# Altium PCB DDR3_Example.PcbDoc (part 2 of 6)
Units mm, origin at the board's own origin, x right, y up, seen from the top; angles counter-clockwise.
Board outline 133.38 x 30.03 mm, 6 copper layers (TOP, SPLIT1_L2, IN1_L3, IN2_L4, SPLIT2_L5, BOTTOM), stack 1.246 mm thick; 131 components, 227 nets, 1523 pads, 910 vias.
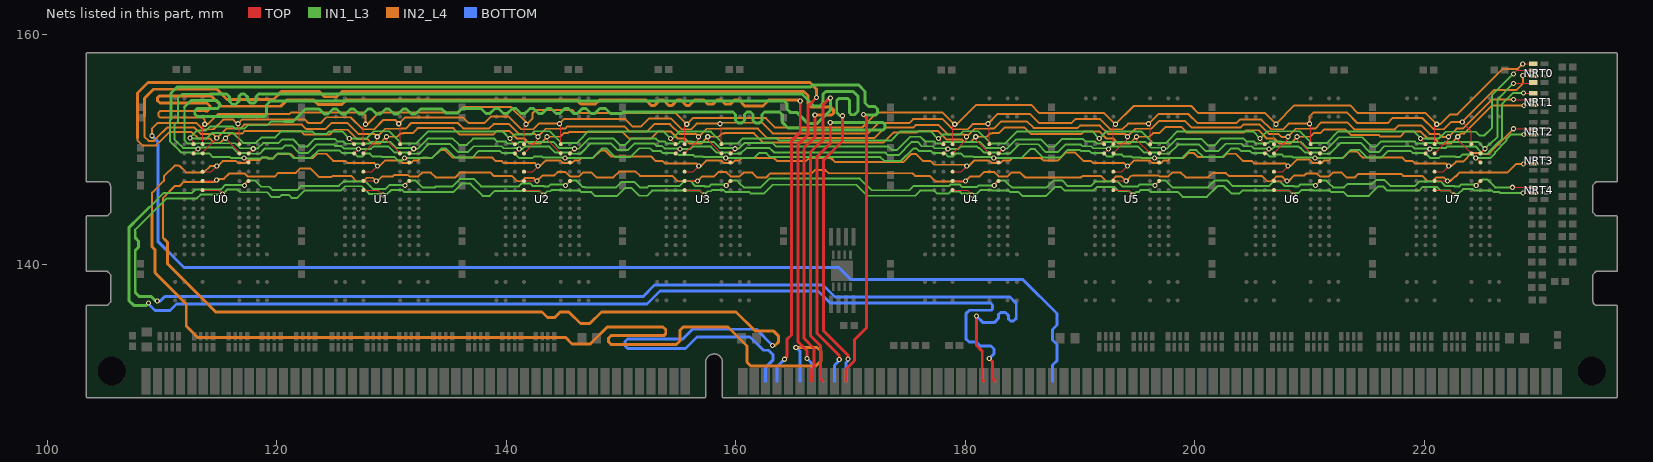
[diagram p6: the nets of this part, all layers, seen from the top]

## Via types
v1: diameter 0.45, hole 0.25, TOP to BOTTOM, 910 vias

## Nets (pads, with @x,y where several pads share a name; then routed paths per layer and width w, separated by ;. In a path a pad name is that pad's centre, name@x,y a point inside that pad or via, vN(x,y) a via of type N, cw(c..) or ccw(c..) an arc to the next point about the centre after c; other vN are vias at no path point) (continued)
A<5>: NRT2.3 U0.L2 U1.L2 U2.L2 U3.L2 U4.L2 U5.L2 U6.L2 U7.L2 | length 227.9
  TOP w0.1: v1(117.137,149.253) 117.546,148.844 U0.L2@117.546,148.84 ; v1(131.124,149.241) 131.145,149.241 U1.L2@131.546,148.84 ; v1(145.124,149.241) 145.145,149.241 U2.L2@145.546,148.84 ; v1(159.124,149.241) 159.145,149.241 U3.L2@159.546,148.84 ; v1(182.474,149.241) 182.875,148.84 U4.L2@182.896,148.84 ; v1(196.474,149.241) 196.495,149.241 U5.L2@196.896,148.84 ; v1(210.474,149.241) 210.495,149.241 U6.L2@210.896,148.84 ; v1(224.474,149.241) 224.495,149.241 U7.L2@224.896,148.84 ; v1(228.672,151.276) NRT2.3@229.493,151.276
  TOP w0.254: 169.601,129.784 169.601,130.832 170.28,131.511 170.33,131.618 170.33,133.391 171.406,134.467 171.406,152.75 v1(171.136,153.02)
  IN1_L3 w0.1: v1@117.118,149.249 117.122,149.253 v1(117.137,149.253)
  IN1_L3 w0.17: 110.793,152.65 110.679,152.536 110.679,150.712 111.168,150.223 111.18,150.223 111.683,149.72 112.856,149.72 112.956,149.62 114.146,149.62 114.442,149.324 114.946,149.324 114.948,149.326 115.917,149.326 115.994,149.249 v1@117.118,149.249 ; v1(117.137,149.253) 117.178,149.212 118.674,149.212 118.746,149.284 119.216,149.284 119.31,149.19 119.642,149.19 119.913,149.461 119.913,149.467 120.076,149.63 121.086,149.63 121.475,149.241 122.977,149.241 123.616,149.88 125.476,149.88 125.676,149.68 126.736,149.68 127.049,149.367 127.453,149.367 127.706,149.62 128.123,149.62 128.376,149.367 129.124,149.367 129.181,149.31 130.262,149.31 130.542,149.03 130.913,149.03 v1(131.124,149.241) 131.141,149.258 132.708,149.258 132.734,149.284 133.098,149.284 133.155,149.227 133.523,149.227 134.356,150.06 134.756,150.06 135.536,149.28 137.036,149.28 137.62,149.864 139.438,149.864 139.624,149.678 140.658,149.678 141.089,149.247 142.308,149.247 142.428,149.367 143.124,149.367 143.194,149.297 145.068,149.297 v1(145.124,149.241) 145.138,149.227 146.744,149.227 146.76,149.243 147.528,149.243 148.365,150.08 148.716,150.08 149.456,149.34 150.846,149.34 151.596,150.09 152.52,150.09 152.746,149.864 153.438,149.864 153.628,149.674 154.14,149.674 154.144,149.678 154.508,149.678 154.514,149.672 154.868,149.672 155.04,149.5 156.306,149.5 156.439,149.367 157.124,149.367 157.181,149.31 159.055,149.31 v1(159.124,149.241) 161.122,149.241 161.126,149.237 161.583,149.237 162.016,149.67 162.666,149.67 163.016,149.32 172.596,149.32 172.936,148.98 174.396,148.98 175.466,150.05 175.756,150.05 175.942,149.864 176.982,149.864 177.155,149.691 178.2,149.691 178.523,149.367 178.893,149.367 179.146,149.62 179.633,149.62 179.886,149.367 180.683,149.367 180.74,149.31 182.405,149.31 v1(182.474,149.241) 182.48,149.247 184.485,149.247 184.505,149.227 184.883,149.227 185.666,150.01 186.066,150.01 186.796,149.28 188.256,149.28 188.916,149.94 189.98,149.94 190.056,149.864 190.788,149.864 190.974,149.678 192.048,149.678 192.359,149.367 192.823,149.367 192.986,149.53 193.633,149.53 193.796,149.367 194.474,149.367 194.544,149.297 195.294,149.297 195.344,149.247 196.468,149.247 v1(196.474,149.241) 196.481,149.248 198.484,149.248 198.505,149.227 198.863,149.227 199.566,149.93 200.126,149.93 200.716,149.34 202.436,149.34 203.146,150.05 203.826,150.05 204.012,149.864 204.788,149.864 204.974,149.678 205.858,149.678 205.864,149.672 206.218,149.672 206.523,149.367 206.943,149.367 207.136,149.56 207.553,149.56 207.746,149.367 208.474,149.367 208.544,149.297 210.418,149.297 v1(210.474,149.241) 210.481,149.248 212.484,149.248 212.489,149.243 212.878,149.243 213.133,149.498 213.133,149.507 213.566,149.94 214.346,149.94 215.006,149.28 216.256,149.28 216.84,149.864 218.788,149.864 218.974,149.678 219.858,149.678 219.869,149.667 220.099,149.667 220.526,149.24 221.266,149.24 221.393,149.367 222.683,149.367 222.738,149.312 223.102,149.312 223.32,149.53 224.185,149.53 v1(224.474,149.241) 224.491,149.258 225.764,149.258 226.166,149.66 226.166,149.76 227.176,150.77 227.176,150.93 227.522,151.276 v1(228.672,151.276)
  IN1_L3 w0.254: 110.793,152.65 110.793,154.897 111.326,155.43 166.526,155.43 166.69,155.594 170.712,155.594 171.262,155.044 171.262,154.024 171.556,153.73 172.116,153.73 172.347,153.499 172.347,153.141 172.206,153 171.156,153 v1(171.136,153.02)
A<6>: NRT1.1 U0.M8 U1.M8 U2.M8 U3.M8 U4.M8 U5.M8 U6.M8 U7.M8 | length 235.3
  TOP w0.1: U0.M8@112.745,149.641 112.745,149.649 v1(113.126,150.03) ; U1.M8@126.745,149.641 127.125,150.021 v1(127.125,150.034) ; U2.M8@140.745,149.641 141.125,150.021 v1(141.125,150.034) ; U3.M8@154.745,149.641 155.125,150.021 v1(155.125,150.034) ; U4.M8@178.095,149.641 178.475,150.021 v1(178.475,150.034) ; U5.M8@192.095,149.641 192.475,150.021 v1(192.475,150.034) ; U6.M8@206.095,149.641 206.475,150.021 v1(206.475,150.034) ; U7.M8@220.095,149.641 220.475,150.021 v1(220.475,150.034) ; v1(228.639,154.893) NRT1.1@229.493,154.893
  TOP w0.254: v1(169.296,152.92) 169.296,150.71 167.636,149.05 167.636,134.19 169.756,132.07 169.776,132.07 v1(169.776,131.72)
  IN1_L3 w0.17: 114.186,154.82 111.746,154.82 111.401,154.475 111.401,152.46 111.079,152.138 111.079,150.878 111.334,150.623 111.346,150.623 111.849,150.12 113.036,150.12 v1(113.126,150.03) 113.269,150.173 116.103,150.173 116.586,149.69 117.686,149.69 117.764,149.612 118.508,149.612 118.976,150.08 120.466,150.08 120.726,150.34 121.286,150.34 121.957,149.669 122.715,149.669 123.476,150.43 124.96,150.43 125.108,150.283 125.113,150.283 125.116,150.28 125.642,150.28 125.841,150.081 127.078,150.081 v1(127.125,150.034) 128.205,150.034 128.411,150.24 128.635,150.24 128.636,150.241 129,150.241 129.001,150.24 129.756,150.24 130.286,149.71 131.651,149.71 131.75,149.611 132.396,149.611 133.255,150.47 135.086,150.47 135.796,149.76 136.656,149.76 137.16,150.264 139.604,150.264 139.777,150.091 140.667,150.091 140.676,150.1 141.059,150.1 v1(141.125,150.034) 141.396,150.034 141.602,150.24 142.635,150.24 142.636,150.241 143,150.241 143.001,150.24 143.756,150.24 144.286,149.71 145.651,149.71 145.75,149.611 146.467,149.611 147.366,150.51 149.106,150.51 149.696,149.92 150.586,149.92 151.166,150.5 152.891,150.5 153.108,150.283 153.585,150.283 153.79,150.078 155.081,150.078 v1(155.125,150.034) 156.04,150.034 156.179,150.173 156.182,150.173 156.249,150.24 156.635,150.24 156.636,150.241 157,150.241 157.001,150.24 157.826,150.24 158.356,149.71 159.651,149.71 159.75,149.611 160.114,149.611 160.144,149.641 160.447,149.641 160.936,150.13 162.926,150.13 163.336,149.72 173.026,149.72 173.246,149.5 174.196,149.5 175.336,150.64 175.836,150.64 176.212,150.264 177.148,150.264 177.321,150.091 178.418,150.091 v1(178.475,150.034) 179.39,150.034 179.529,150.173 179.532,150.173 179.599,150.24 179.985,150.24 179.986,150.241 180.35,150.241 180.351,150.24 181.041,150.24 181.18,150.101 181.245,150.101 181.636,149.71 183.001,149.71 183.1,149.611 183.464,149.611 183.5,149.647 183.896,149.647 184.293,150.044 184.293,150.047 184.686,150.44 186.336,150.44 187.016,149.76 188.066,149.76 188.716,150.41 190.076,150.41 190.222,150.264 190.954,150.264 191.127,150.091 192.418,150.091 v1(192.475,150.034) 192.679,150.238 193.983,150.238 193.986,150.241 194.35,150.241 194.361,150.23 195.035,150.23 195.044,150.239 195.058,150.239 195.564,149.733 196.978,149.733 197.1,149.611 197.746,149.611 198.545,150.41 200.366,150.41 200.936,149.84 202.046,149.84 202.686,150.48 204.066,150.48 204.282,150.264 204.954,150.264 205.14,150.078 206.431,150.078 v1(206.475,150.034) 206.746,150.034 206.952,150.24 207.985,150.24 207.986,150.241 208.35,150.241 208.351,150.24 209.041,150.24 209.18,150.101 209.245,150.101 209.636,149.71 211.001,149.71 211.1,149.611 211.734,149.611 211.801,149.666 212.695,150.56 214.436,150.56 215.236,149.76 216.006,149.76 216.51,150.264 218.954,150.264 219.14,150.078 220.431,150.078 v1(220.475,150.034) 220.571,150.13 221.875,150.13 221.986,150.241 224.47,150.241 224.845,149.867 ; 224.845,149.866 225.1,149.611 225.464,149.611 225.719,149.866 225.719,149.888 226.348,150.517 226.357,150.517 226.776,150.936 226.776,153.949 227.72,154.893 v1(228.639,154.893)
  IN1_L3 w0.254: 114.186,154.82 115.636,154.82 115.876,154.58 115.876,154.18 116.146,153.91 116.416,153.91 116.726,154.22 116.726,154.64 116.906,154.82 117.186,154.82 117.466,154.54 117.466,154.25 117.687,154.029 118.045,154.029 118.186,154.17 118.186,154.6 118.406,154.82 165.776,154.82 166.826,153.77 167.326,153.77 167.606,154.05 167.606,154.794 167.846,155.034 170.229,155.034 170.666,154.597 170.666,153.334 170.342,153.01 170.066,153.01 169.916,153.16 169.916,154.27 169.776,154.41 168.956,154.41 168.796,154.25 168.796,153.21 169.086,152.92 v1(169.296,152.92)
  BOTTOM w0.254: 169.601,129.784 169.601,131.405 169.776,131.58 v1(169.776,131.72)
A<7>: NRT0.4 U0.M2 U1.M2 U2.M2 U3.M2 U4.M2 U5.M2 U6.M2 U7.M2 | length 230.5
  TOP w0.1: U0.M2@117.546,149.641 117.546,149.649 v1(117.946,150.049) ; U1.M2@131.546,149.641 131.546,149.662 v1(131.932,150.048) ; U2.M2@145.546,149.641 145.546,149.662 v1(145.932,150.048) ; U3.M2@159.546,149.641 159.546,149.662 v1(159.932,150.048) ; U4.M2@182.896,149.641 182.896,149.662 v1(183.282,150.048) ; U5.M2@196.896,149.641 196.896,149.662 v1(197.282,150.048) ; U6.M2@210.896,149.641 210.896,149.662 v1(211.282,150.048) ; U7.M2@224.896,149.641 224.896,149.662 v1(225.282,150.048) ; v1(227.756,155.74) 229.416,155.74 NRT0.4@229.493,155.817
  TOP w0.254: 167.601,129.784 167.376,130.009 167.376,132.882 166.514,133.744 166.514,149.758 167.586,150.83 167.586,153.88 168.236,154.53 v1(168.236,154.48)
  IN1_L3 w0.17: 111.966,153.693 111.966,150.77 112.216,150.52 113.05,150.52 113.055,150.525 116.396,150.525 116.831,150.09 117.905,150.09 v1(117.946,150.049) 117.982,150.085 118.361,150.085 118.806,150.53 120.146,150.53 120.486,150.87 121.416,150.87 122.046,150.24 122.636,150.24 123.276,150.88 125.077,150.88 125.274,150.683 125.805,150.683 126.007,150.481 126.627,150.481 126.646,150.5 128.105,150.5 128.256,150.651 128.938,150.651 128.94,150.653 129.909,150.653 130.452,150.11 131.87,150.11 v1(131.932,150.048) 132.267,150.048 133.149,150.93 135.336,150.93 135.886,150.38 136.576,150.38 137.116,150.92 138.962,150.92 139.218,150.664 139.964,150.664 140.137,150.491 140.501,150.491 140.51,150.5 140.998,150.5 141.141,150.642 141.142,150.641 143.166,150.641 143.167,150.64 144.086,150.64 144.616,150.11 145.87,150.11 v1(145.932,150.048) 146.314,150.048 147.216,150.95 149.306,150.95 149.876,150.38 150.366,150.38 150.906,150.92 153.037,150.92 153.274,150.683 153.804,150.683 153.998,150.49 154.988,150.49 155.178,150.68 155.194,150.683 156.155,150.683 156.198,150.64 156.469,150.64 156.47,150.641 157.166,150.641 157.167,150.64 158.096,150.64 158.626,150.11 159.87,150.11 v1(159.932,150.048) 159.985,150.048 159.988,150.051 160.27,150.051 160.739,150.52 160.76,150.52 160.77,150.53 163.226,150.53 163.526,150.23 173.326,150.23 173.636,149.92 174.026,149.92 175.196,151.09 176.076,151.09 176.486,150.68 177.298,150.68 177.487,150.491 177.944,150.491 178.104,150.651 181.269,150.651 181.81,150.11 183.22,150.11 v1(183.282,150.048) 183.617,150.048 184.434,150.865 186.561,150.865 187.206,150.22 187.766,150.22 188.446,150.9 190.246,150.9 190.482,150.664 191.314,150.664 191.487,150.491 191.851,150.491 192.01,150.65 195.681,150.65 196.198,150.133 197.197,150.133 v1(197.282,150.048) 197.549,150.048 198.381,150.88 200.596,150.88 201.156,150.32 201.686,150.32 202.316,150.95 204.226,150.95 204.512,150.664 205.174,150.664 205.347,150.491 205.851,150.491 205.9,150.54 206.388,150.54 206.528,150.68 206.544,150.683 207.505,150.683 207.548,150.64 207.819,150.64 207.82,150.641 208.516,150.641 208.517,150.64 209.207,150.64 209.346,150.501 209.411,150.501 209.802,150.11 211.22,150.11 v1(211.282,150.048) 211.549,150.048 212.551,151.05 214.576,151.05 215.406,150.22 215.766,150.22 216.21,150.664 219.174,150.664 219.347,150.491 219.851,150.491 219.9,150.54 221.719,150.54 221.82,150.641 224.689,150.641 v1(225.282,150.048) 225.671,150.437 225.702,150.437 226.376,151.111 226.376,154.36 v1(227.756,155.74)
  IN1_L3 w0.254: 111.966,153.693 112.516,154.243 114.773,154.243 115.006,154.01 115.006,153.72 114.856,153.57 113.086,153.57 112.856,153.34 112.856,153.07 113.066,152.86 118.916,152.86 119.106,153.05 119.106,153.87 119.439,154.203 164.223,154.203 164.456,153.97 164.456,153.51 164.746,153.22 165.316,153.22 166.276,152.26 167.106,152.26 168.236,153.39 v1(168.236,154.48)
A<8>: NRT0.2 U0.N8 U1.N8 U2.N8 U3.N8 U4.N8 U5.N8 U6.N8 U7.N8 | length 236.9
  TOP w0.1: v1(112.436,150.98) 112.745,150.671 U0.N8@112.745,150.441 ; v1(126.319,150.928) 126.319,150.867 U1.N8@126.745,150.441 ; v1(140.319,150.928) 140.319,150.867 U2.N8@140.745,150.441 ; v1(154.319,150.928) 154.319,150.867 U3.N8@154.745,150.441 ; v1(177.669,150.928) 177.669,150.867 U4.N8@178.095,150.441 ; v1(191.669,150.928) 191.669,150.867 U5.N8@192.095,150.441 ; v1(205.669,150.928) 205.669,150.867 U6.N8@206.095,150.441 ; v1(219.669,150.928) 219.669,150.867 U7.N8@220.095,150.441 ; v1(227.756,156.57) 228.07,156.884 NRT0.2@229.493,156.884
  TOP w0.254: v1(168.227,152.33) 168.227,150.501 167.076,149.35 167.076,133.966 168.996,132.046 169.016,132.046 v1(169.016,131.67)
  IN1_L3 w0.17: 120.616,152.43 119.506,152.43 119.171,152.095 117.461,152.095 117.159,151.793 116.373,151.793 116.176,151.99 114.196,151.99 113.856,151.65 113.076,151.65 112.436,151.01 v1(112.436,150.98) 112.496,150.92 113.846,150.92 114.334,151.408 116.208,151.408 117.066,150.55 118.186,150.55 118.676,151.04 119.876,151.04 120.396,151.56 123.106,151.56 123.316,151.35 124.376,151.35 124.586,151.56 125.687,151.56 v1(126.319,150.928) 127.816,150.928 128.458,151.57 129.796,151.57 130.846,150.52 132.173,150.52 133.21,151.557 139.638,151.557 139.645,151.55 139.697,151.55 v1(140.319,150.928) 140.676,151.285 142.173,151.285 142.458,151.57 143.796,151.57 144.823,150.543 145.004,150.543 145.014,150.533 145.378,150.533 145.388,150.543 146.128,150.543 146.383,150.798 146.383,150.807 147.133,151.557 153.69,151.557 v1(154.319,150.928) 154.454,150.928 155.056,151.53 157.836,151.53 158.856,150.51 160.163,150.51 160.573,150.92 160.594,150.92 160.604,150.93 163.586,150.93 163.766,150.75 173.542,150.75 173.822,151.03 173.822,151.044 174.335,151.557 176.988,151.557 177.617,150.928 v1(177.669,150.928) 178.026,151.285 179.523,151.285 179.808,151.57 181.146,151.57 182.206,150.51 183.486,150.51 184.533,151.557 191.04,151.557 v1(191.669,150.928) 192.301,151.56 195.337,151.56 196.364,150.533 197.459,150.533 197.469,150.543 197.478,150.543 197.733,150.798 197.733,150.807 198.483,151.557 205.079,151.557 205.669,150.967 v1(205.669,150.928) 206.311,151.57 209.146,151.57 210.183,150.533 210.728,150.533 210.738,150.543 211.478,150.543 212.492,151.557 219.059,151.557 219.669,150.947 v1(219.669,150.928) 219.722,150.928 219.734,150.94 221.256,150.94 221.843,151.527 224.48,151.527 224.794,151.213 225.24,151.213 225.876,151.849 225.876,154.69 v1(227.756,156.57)
  IN1_L3 w0.254: 120.616,152.43 121.416,152.43 122.506,153.52 123.694,153.52 124.134,153.08 124.456,153.08 124.896,153.52 125.218,153.52 125.658,153.08 125.98,153.08 126.42,153.52 126.742,153.52 127.182,153.08 127.504,153.08 127.944,153.52 128.266,153.52 128.706,153.08 129.028,153.08 129.468,153.52 129.79,153.52 130.23,153.08 130.552,153.08 130.992,153.52 131.314,153.52 131.754,153.08 132.076,153.08 132.516,153.52 134.381,153.52 134.726,153.175 135.766,153.175 136.151,153.56 137.805,153.56 138.245,153.12 138.567,153.12 139.007,153.56 139.329,153.56 139.769,153.12 140.091,153.12 140.531,153.56 140.853,153.56 141.293,153.12 141.615,153.12 142.055,153.56 142.377,153.56 142.817,153.12 143.139,153.12 143.579,153.56 143.901,153.56 144.341,153.12 144.663,153.12 145.103,153.56 145.425,153.56 145.865,153.12 146.187,153.12 146.627,153.56 146.949,153.56 147.389,153.12 147.711,153.12 148.151,153.56 148.646,153.56 149.086,153.12 150.061,153.12 150.186,153.245 159.763,153.245 159.986,153.022 159.986,152.513 160.209,152.29 160.525,152.29 160.748,152.513 160.748,153.022 160.971,153.245 161.287,153.245 161.51,153.022 161.51,152.513 161.733,152.29 162.049,152.29 162.272,152.513 162.272,153.022 162.495,153.245 163.816,153.245 164.086,152.975 164.086,152.31 164.546,151.85 165.566,151.85 165.738,151.678 172.844,151.678 173.016,151.85 173.016,152.13 172.806,152.34 168.237,152.34 v1(168.227,152.33)
  BOTTOM w0.254: 168.601,129.784 168.601,131.175 169.096,131.67 v1(169.016,131.67)
A<9>: NRT1.3 U0.M3 U1.M3 U2.M3 U3.M3 U4.M3 U5.M3 U6.M3 U7.M3 | length 239.5
  TOP w0.1: v1(115.526,150.962) 116.746,149.742 U0.M3@116.746,149.641 ; v1(129.556,151.09) 129.556,150.831 U1.M3@130.746,149.641 ; v1(143.556,151.09) 143.556,150.831 U2.M3@144.746,149.641 ; v1(157.556,151.09) 157.556,150.831 U3.M3@158.746,149.641 ; v1(180.906,151.09) 180.906,150.831 U4.M3@182.096,149.641 ; v1(194.906,151.09) 194.906,150.831 U5.M3@196.096,149.641 ; v1(208.906,151.09) 208.906,150.831 U6.M3@210.096,149.641 ; v1(222.906,151.09) 222.906,150.831 U7.M3@224.096,149.641 ; v1(228.672,153.826) NRT1.3@229.493,153.826
  TOP w0.254: v1(166.206,131.76) 166.206,132.44 165.709,132.937 165.709,132.939 165.406,133.242 165.406,150.4 166.306,151.3 166.306,153.77 v1(167.036,154.5)
  IN2_L4 w0.17: 107.876,150.97 107.876,150.75 108.288,150.338 109.47,150.338 109.959,150.827 109.963,150.827 110.633,151.497 112.589,151.497 113.143,150.943 114.143,150.943 114.552,150.534 115.02,150.534 115.423,150.937 115.501,150.937 v1(115.526,150.962) 115.937,151.373 116.982,151.373 117.219,151.61 122.086,151.61 122.416,151.28 124.596,151.28 125.016,151.7 126.166,151.7 126.963,150.903 127.892,150.903 128.294,150.501 128.967,150.501 v1(129.556,151.09) 130.506,151.09 130.806,151.39 130.997,151.39 131.014,151.407 131.833,151.407 132.276,151.85 135.386,151.85 135.956,151.28 138.856,151.28 139.186,151.61 140.256,151.61 140.928,150.938 141.548,150.938 141.985,150.501 142.967,150.501 v1(143.556,151.09) 144.697,151.09 145.014,151.407 145.376,151.407 145.469,151.5 150.156,151.5 150.726,150.93 152.606,150.93 153.233,151.557 154.309,151.557 154.928,150.938 155.548,150.938 155.985,150.501 156.967,150.501 v1(157.556,151.09) 158.506,151.09 158.806,151.39 158.997,151.39 159.014,151.407 159.754,151.407 159.764,151.417 160.128,151.417 160.138,151.407 161.579,151.407 162.406,150.58 162.84,150.58 162.841,150.579 163.171,150.579 163.172,150.58 172.856,150.58 173.756,151.48 175.806,151.48 175.916,151.59 177.626,151.59 178.345,150.871 179.704,150.871 179.924,150.651 180.467,150.651 v1(180.906,151.09) 181.856,151.09 182.156,151.39 182.347,151.39 182.364,151.407 182.933,151.407 183.406,151.88 185.176,151.88 185.736,151.32 190.109,151.32 190.346,151.557 191.659,151.557 192.278,150.938 192.898,150.938 193.335,150.501 194.317,150.501 v1(194.906,151.09) 196.047,151.09 196.364,151.407 196.903,151.407 197.446,151.95 198.826,151.95 199.313,151.463 204.269,151.463 204.466,151.66 205.556,151.66 206.278,150.938 206.898,150.938 207.335,150.501 208.317,150.501 v1(208.906,151.09) 210.047,151.09 210.364,151.407 210.943,151.407 211.246,151.71 213.146,151.71 213.596,151.26 216.006,151.26 216.156,151.11 217.896,151.11 218.343,151.557 219.659,151.557 220.278,150.938 220.898,150.938 221.335,150.501 222.317,150.501 v1(222.906,151.09) 223.209,151.393 223.494,151.393 225.927,153.826 v1(228.672,153.826)
  IN2_L4 w0.254: 107.876,150.97 107.876,154.9 108.786,155.81 166.456,155.81 167.036,155.23 v1(167.036,154.5)
  BOTTOM w0.254: v1(166.206,131.76) 166.601,131.365 166.601,129.784
A<10>: NRT4.3 U0.H7 U1.H7 U2.H7 U3.H7 U4.H7 U5.H7 U6.H7 U7.H7 | length 244.2
  TOP w0.1: U0.H7@113.545,146.443 114.933,146.443 v1(115.286,146.09) ; U1.H7@127.545,146.443 128.82,146.443 v1(129.246,146.017) ; U2.H7@141.545,146.443 142.82,146.443 v1(143.246,146.017) ; U3.H7@155.545,146.443 156.82,146.443 v1(157.246,146.017) ; U4.H7@178.895,146.443 180.17,146.443 v1(180.596,146.017) ; U5.H7@192.895,146.443 194.17,146.443 v1(194.596,146.017) ; U6.H7@206.895,146.443 208.17,146.443 v1(208.596,146.017) ; U7.H7@220.895,146.443 222.17,146.443 v1(222.596,146.017) ; v1(228.58,146.176) NRT4.3@229.493,146.176
  TOP w0.254: v1(180.976,135.47) 180.976,132.908 181.476,132.408 181.476,129.909 181.601,129.784
  IN1_L3 w0.17: 107.666,142.8 107.666,142.99 110.403,145.727 113.043,145.727 113.366,146.05 115.246,146.05 v1(115.286,146.09) 115.692,146.496 116.57,146.496 116.812,146.254 119.152,146.254 119.576,145.83 120.236,145.83 120.436,146.03 121.026,146.03 121.286,145.77 121.776,145.77 122.412,146.406 125.587,146.406 125.961,146.78 127.386,146.78 128.046,146.12 129.143,146.12 v1(129.246,146.017) 129.342,146.113 129.628,146.113 129.955,146.44 130.938,146.44 131.098,146.28 135.416,146.28 136.136,147 136.866,147 137.936,145.93 138.566,145.93 139.006,146.37 142.893,146.37 v1(143.246,146.017) 143.572,146.343 143.834,146.343 143.945,146.454 144.924,146.454 144.981,146.397 146.413,146.397 146.53,146.28 147.411,146.28 147.416,146.275 147.416,146.27 147.766,145.92 149.636,145.92 150.336,146.62 150.926,146.62 151.596,145.95 152.277,145.95 152.716,146.389 156.874,146.389 v1(157.246,146.017) 157.572,146.343 157.834,146.343 157.958,146.467 158.911,146.467 159.098,146.28 161.166,146.28 161.316,146.13 162.446,146.13 163.226,146.91 170.476,146.91 171.436,145.95 175.617,145.95 176.056,146.389 177.306,146.389 177.555,146.14 178.556,146.14 178.736,146.32 179.506,146.32 179.686,146.14 180.473,146.14 v1(180.596,146.017) 180.696,146.117 180.982,146.117 181.305,146.44 182.288,146.44 182.331,146.397 183.763,146.397 183.88,146.28 184.626,146.28 184.986,145.92 187.026,145.92 187.836,146.73 188.306,146.73 188.646,146.39 191.166,146.39 191.506,146.73 192.996,146.73 193.383,146.343 194.27,146.343 v1(194.596,146.017) ; v1@194.574,146.119 v1(194.596,146.017) ; v1(228.58,146.176) 226.61,146.176 226.506,146.28 226,146.28 225.883,146.397 224.357,146.397 224.222,146.532 223.373,146.532 222.957,146.116 222.862,146.116 222.763,146.017 v1(222.596,146.017) 222.224,146.389 221.416,146.389 221.085,146.72 219.876,146.72 219.545,146.389 216.767,146.389 216.396,146.76 215.986,146.76 215.166,145.94 213.286,145.94 212.946,146.28 211.88,146.28 211.763,146.397 210.331,146.397 210.274,146.454 209.761,146.454 209.758,146.457 209.394,146.457 209.391,146.454 209.295,146.454 209.041,146.2 208.779,146.2 v1(208.596,146.017) 208.224,146.389 204.135,146.389 203.876,146.13 203.206,146.13 202.536,146.8 201.996,146.8 201.056,145.86 198.936,145.86 198.516,146.28 196.116,146.28 195.942,146.454 195.295,146.454 195.111,146.27 194.849,146.27 v1(194.596,146.017)
  IN1_L3 w0.254: 107.666,142.8 107.666,142.29 107.936,142.02 107.936,141.44 107.666,141.17 107.666,137.51 108.011,137.165 109.065,137.165 109.39,136.84 109.39,136.836 109.436,136.79 v1(109.584,136.79)
  BOTTOM w0.254: v1(109.584,136.79) 109.856,136.79 110.246,137.18 151.936,137.18 152.926,138.17 167.596,138.17 168.642,137.124 183.902,137.124 184.436,136.59 184.436,135.27 184.196,135.03 183.936,135.03 183.746,135.22 183.746,135.53 183.495,135.781 183.077,135.781 182.876,135.58 182.876,135.25 182.516,134.89 181.556,134.89 v1(180.976,135.47)
A<11>: NRT1.2 U0.M7 U1.M7 U2.M7 U3.M7 U4.M7 U5.M7 U6.M7 U7.M7 | length 240.2
  TOP w0.1: U0.M7@113.545,149.641 113.545,149.74 v1(114.776,150.971) ; U1.M7@127.545,149.641 128.756,150.852 v1(128.756,151.088) ; U2.M7@141.545,149.641 142.756,150.852 v1(142.756,151.088) ; U3.M7@155.545,149.641 156.756,150.852 v1(156.756,151.088) ; U4.M7@178.895,149.641 180.106,150.852 v1(180.106,151.088) ; U5.M7@192.895,149.641 194.106,150.852 194.106,151.068 v1(194.126,151.088) ; U6.M7@206.895,149.641 208.106,150.852 v1(208.106,151.088) ; U7.M7@220.895,149.641 222.106,150.852 v1(222.106,151.088) ; v1(227.776,154.33) 229.489,154.33 NRT1.2@229.493,154.334
  TOP w0.254: 166.601,129.784 166.601,130.835 166.822,131.056 166.822,132.652 165.96,133.514 165.96,149.988 165.966,149.994 165.966,150.15 166.886,151.07 v1(166.886,152.98)
  IN2_L4 w0.17: 108.466,152.85 108.466,151.1 108.828,150.738 109.303,150.738 109.558,150.993 ; 109.559,150.993 110.463,151.897 112.824,151.897 113.378,151.343 114.404,151.343 v1(114.776,150.971) 115.598,151.793 116.808,151.793 117.155,152.14 122.196,152.14 122.576,151.76 124.246,151.76 124.766,152.28 126.176,152.28 127.133,151.323 128.521,151.323 v1(128.756,151.088) 129.458,151.79 130.831,151.79 130.848,151.807 131.243,151.807 131.726,152.29 135.766,152.29 136.236,151.82 138.516,151.82 138.896,152.2 140.242,152.2 141.099,151.343 142.501,151.343 v1(142.756,151.088) 143.458,151.79 144.831,151.79 144.848,151.807 145.133,151.807 145.326,152 150.286,152 150.756,151.53 152.236,151.53 152.896,152.19 154.252,152.19 155.099,151.343 156.501,151.343 v1(156.756,151.088) 157.458,151.79 158.831,151.79 158.848,151.807 159.588,151.807 159.598,151.817 160.294,151.817 160.304,151.807 161.929,151.807 162.756,150.98 172.066,150.98 172.966,151.88 175.446,151.88 175.666,152.1 177.682,152.1 178.479,151.303 179.891,151.303 v1(180.106,151.088) 180.808,151.79 182.181,151.79 182.198,151.807 182.483,151.807 183.116,152.44 185.373,152.44 185.943,151.87 189.796,151.87 189.996,152.07 191.722,152.07 192.449,151.343 193.871,151.343 v1(194.126,151.088) 194.828,151.79 196.196,151.79 196.866,152.46 199.159,152.46 199.736,151.883 203.962,151.883 204.219,152.14 205.652,152.14 206.449,151.343 207.273,151.343 207.528,151.088 v1(208.106,151.088) 208.808,151.79 210.181,151.79 210.198,151.807 210.483,151.807 211.026,152.35 213.276,152.35 213.886,151.74 217.436,151.74 217.776,152.08 219.712,152.08 220.449,151.343 221.273,151.343 221.528,151.088 v1(222.106,151.088) 222.811,151.793 223.328,151.793 225.865,154.33 v1(227.776,154.33)
  IN2_L4 w0.254: 108.466,152.85 108.466,154.44 109.256,155.23 114.786,155.23 115.666,154.35 119.726,154.35 120.396,155.02 123.716,155.02 124.156,154.58 125.216,154.58 125.676,155.04 165.916,155.04 166.281,154.675 166.281,153.955 166.556,153.68 168.276,153.68 168.526,153.43 168.526,153.15 168.356,152.98 v1(166.886,152.98)
A<12>: NRT2.2 U0.K7 U1.K7 U2.K7 U3.K7 U4.K7 U5.K7 U6.K7 U7.K7 | length 234.8
  TOP w0.1: U0.K7@113.545,148.043 114.289,148.043 v1(114.776,148.53) ; U1.K7@127.545,148.043 128.289,148.043 v1(128.776,148.53) ; U2.K7@141.545,148.043 142.289,148.043 v1(142.776,148.53) ; U3.K7@155.545,148.043 156.289,148.043 v1(156.776,148.53) ; U4.K7@178.895,148.043 179.639,148.043 v1(180.126,148.53) ; U5.K7@192.895,148.043 193.639,148.043 v1(194.126,148.53) ; U6.K7@206.895,148.043 207.639,148.043 v1(208.126,148.53) ; U7.K7@220.895,148.043 221.639,148.043 v1(222.126,148.53) ; v1(227.78,151.784) NRT2.2@229.493,151.784
  IN2_L4 w0.1: v1(114.776,148.53) v1@114.852,148.53
  IN2_L4 w0.17: 109.139,144.42 109.139,146.223 110.156,147.24 110.156,147.629 111.094,148.567 111.458,148.567 111.465,148.56 111.526,148.56 112.106,147.98 113.636,147.98 114.186,148.53 v1(114.776,148.53) ; v1@114.852,148.53 115.291,148.969 116.463,148.969 116.616,148.816 117.319,148.816 117.583,149.08 118.526,149.08 118.73,149.284 119.098,149.284 119.176,149.206 119.702,149.206 120.086,149.59 121.216,149.59 121.566,149.24 123.146,149.24 123.516,149.61 124.296,149.61 124.916,148.99 125.977,148.99 126.174,148.793 128.513,148.793 v1(128.776,148.53) 128.926,148.53 129.308,148.912 129.336,148.912 129.434,149.01 130.736,149.01 130.942,148.804 131.71,148.804 131.946,149.04 132.346,149.04 132.549,149.243 133.539,149.243 134.226,149.93 134.686,149.93 135.336,149.28 138.784,149.28 139.097,148.967 139.624,148.967 139.801,148.79 142.492,148.79 142.752,148.53 v1(142.776,148.53) 142.926,148.53 143.308,148.912 143.336,148.912 143.434,149.01 144.736,149.01 144.942,148.804 145.71,148.804 145.946,149.04 146.346,149.04 146.555,149.249 147.158,149.249 147.164,149.243 147.569,149.243 148.216,149.89 148.646,149.89 149.166,149.37 152.636,149.37 153.039,148.967 153.624,148.967 153.821,148.77 156.536,148.77 v1(156.776,148.53) 156.926,148.53 157.406,149.01 158.736,149.01 158.942,148.804 159.71,148.804 159.946,149.04 160.346,149.04 160.555,149.249 161.158,149.249 161.164,149.243 161.386,149.243 161.388,149.241 163.316,149.241 163.567,148.99 166.136,148.99 166.387,149.241 168.296,149.241 168.647,148.89 174.576,148.89 175.266,149.58 175.716,149.58 176.329,148.967 176.974,148.967 177.291,148.65 180.006,148.65 v1(180.126,148.53) 180.276,148.53 180.756,149.01 182.086,149.01 182.292,148.804 183.06,148.804 183.296,149.04 183.907,149.04 184.104,149.237 184.134,149.237 184.146,149.249 184.508,149.249 184.514,149.243 184.736,149.243 184.738,149.241 186.595,149.241 186.816,149.02 188.066,149.02 188.746,149.7 189.576,149.7 190.309,148.967 190.974,148.967 191.151,148.79 193.842,148.79 194.102,148.53 v1(194.126,148.53) 194.216,148.53 194.696,149.01 196.086,149.01 196.292,148.804 197.06,148.804 197.296,149.04 197.696,149.04 197.905,149.249 198.508,149.249 198.514,149.243 199.019,149.243 199.436,149.66 199.926,149.66 200.246,149.34 202.516,149.34 202.786,149.61 203.566,149.61 204.209,148.967 204.974,148.967 205.171,148.77 207.862,148.77 208.102,148.53 v1(208.126,148.53) 208.326,148.53 208.896,149.1 209.996,149.1 210.292,148.804 211.06,148.804 211.296,149.04 211.696,149.04 211.905,149.249 212.508,149.249 212.514,149.243 212.929,149.243 213.506,149.82 214.096,149.82 214.636,149.28 218.076,149.28 218.389,148.967 218.974,148.967 219.171,148.77 221.862,148.77 222.102,148.53 v1(222.126,148.53) 222.358,148.53 222.76,148.932 223.368,148.932 224.116,149.68 224.726,149.68 224.826,149.58 225.576,149.58 v1(227.78,151.784)
  IN2_L4 w0.254: 109.139,144.42 109.139,143.378 109.138,143.377 109.138,141.501 109.388,141.251 109.388,140.04 109.387,140.039 109.387,139.249 112.116,136.52 112.116,134.59 113.109,133.597 145.179,133.597 145.733,133.043 147.318,133.043 148.795,134.52 153.666,134.52 153.897,134.289 153.897,133.931 153.721,133.755 149.121,133.755 148.92,133.554 148.92,133.196 149.136,132.98 154.816,132.98 155.126,133.29 155.126,134.23 155.416,134.52 159.31,134.52 160.965,132.865 160.965,131.451 161.306,131.11 166.966,131.11 167.426,131.57 167.426,132.4 167.086,132.74 v1(165.23,132.74)
  BOTTOM w0.254: v1(165.23,132.74) 165.266,132.74 165.601,132.405 165.601,129.784
A<13>: NRT0.3 U0.N3 U1.N3 U2.N3 U3.N3 U4.N3 U5.N3 U6.N3 U7.N3 | length 246.1
  TOP w0.1: v1(116.626,152.23) 116.746,152.11 U0.N3@116.746,150.441 ; v1(130.626,152.23) 130.746,152.11 U1.N3@130.746,150.441 ; v1(144.626,152.23) 144.746,152.11 U2.N3@144.746,150.441 ; v1(158.626,152.23) 158.746,152.11 U3.N3@158.746,150.441 ; v1(181.976,152.23) 182.096,152.11 U4.N3@182.096,150.441 ; v1(195.976,152.23) 196.096,152.11 U5.N3@196.096,150.441 ; v1(209.976,152.23) 210.096,152.11 U6.N3@210.096,150.441 ; v1(223.296,152.38) 223.306,152.38 224.096,151.59 U7.N3@224.096,150.441 ; v1(228.576,156.43) 228.63,156.376 NRT0.3@229.493,156.376
  IN2_L4 w0.1: v1@116.577,152.23 v1(116.626,152.23)
  IN2_L4 w0.17: v1(109.121,151.175) 109.121,151.795 109.623,152.297 112.99,152.297 113.544,151.743 114.489,151.743 115.326,152.58 116.227,152.58 v1@116.577,152.23 ; v1(116.626,152.23) 116.998,152.602 122.426,152.602 122.738,152.29 123.816,152.29 124.316,152.79 126.426,152.79 127.473,151.743 128.489,151.743 129.296,152.55 130.306,152.55 v1(130.626,152.23) 131.176,152.78 136.216,152.78 136.693,152.303 138.109,152.303 138.646,152.84 140.196,152.84 141.293,151.743 142.341,151.743 142.828,152.23 v1(144.626,152.23) 145.015,152.619 145.379,152.619 145.38,152.62 150.378,152.62 151.028,151.97 151.703,151.97 152.413,152.68 154.356,152.68 155.293,151.743 156.099,151.743 156.586,152.23 v1(158.626,152.23) 158.706,152.31 162.286,152.31 163.206,151.39 171.536,151.39 172.426,152.28 175.106,152.28 175.446,152.62 178.017,152.62 178.894,151.743 180.195,151.743 180.642,152.19 181.936,152.19 v1(181.976,152.23) 182.836,153.09 185.627,153.09 186.414,152.303 189.256,152.303 189.583,152.63 191.756,152.63 192.643,151.743 193.691,151.743 194.178,152.23 v1(195.976,152.23) 196.816,153.07 199.446,153.07 200.233,152.283 203.619,152.283 203.926,152.59 205.796,152.59 206.643,151.743 207.691,151.743 208.178,152.23 v1(209.976,152.23) 209.976,152.82 210.376,153.22 213.236,153.22 214.173,152.283 216.789,152.283 217.216,152.71 219.836,152.71 220.803,151.743 221.691,151.743 222.328,152.38 v1(223.296,152.38) 226.096,155.18 228.046,155.18 228.576,155.71 v1(228.576,156.43)
  BOTTOM w0.254: v1(109.121,151.175) 109.121,151.165 109.636,150.65 109.636,141.98 111.92,139.696 123.8,139.696 123.804,139.692 168.974,139.692 170.03,138.636 185.02,138.636 187.976,135.68 187.976,134.68 187.586,134.29 187.586,133.39 187.976,133 187.976,131.57 187.601,131.195 187.601,129.784
A<14>: NRT0.1 U0.N7 U1.N7 U2.N7 U3.N7 U4.N7 U5.N7 U6.N7 U7.N7 | length 241.5
  TOP w0.1: U0.N7@113.545,150.441 113.545,151.999 v1(113.726,152.18) ; U1.N7@127.545,150.441 127.545,151.999 v1(127.726,152.18) ; U2.N7@141.545,150.441 141.545,151.999 v1(141.726,152.18) ; U3.N7@155.545,150.441 155.545,151.999 v1(155.726,152.18) ; U4.N7@178.895,150.441 178.895,151.999 v1(179.076,152.18) ; U5.N7@192.895,150.441 192.895,151.999 v1(193.076,152.18) ; U6.N7@206.895,150.441 206.895,151.999 v1(207.076,152.18) ; U7.N7@220.895,150.441 220.895,151.999 v1(221.076,152.18) ; v1(228.576,157.443) NRT0.1@229.493,157.443
  TOP w0.254: v1(164.256,131.7) 164.446,131.89 164.446,133.418 164.852,133.824 164.852,150.63 164.87,150.648 164.87,150.744 165.616,151.49 v1(165.616,154.203)
  IN2_L4 w0.17: 113.786,153.33 109.836,153.33 109.686,153.18 109.686,152.91 109.816,152.78 113.506,152.78 113.726,152.56 v1(113.726,152.18) 113.976,152.18 114.886,153.09 121.127,153.09 121.227,153.19 127.516,153.19 127.726,152.98 v1(127.726,152.18) 127.906,152.18 128.946,153.22 135.101,153.22 135.104,153.217 135.468,153.217 135.471,153.22 135.756,153.22 136.206,153.67 140.406,153.67 141.726,152.35 v1(141.726,152.18) 141.776,152.18 142.286,152.69 142.286,153.16 142.566,153.44 145.726,153.44 146.024,153.142 150.769,153.142 150.804,153.177 154.729,153.177 v1(155.726,152.18) ; v1@155.726,152.215 v1(155.726,152.18) ; v1@193.076,152.215 v1(193.076,152.18) ; v1(228.576,157.443) 228.14,157.007 226.836,157.007 222.869,153.04 222.236,153.04 221.376,152.18 v1(221.076,152.18) 220.079,153.177 214.169,153.177 213.526,153.82 208.676,153.82 207.076,152.22 v1(207.076,152.18) 206.079,153.177 200.259,153.177 199.666,153.77 194.666,153.77 v1(193.076,152.18) ; v1(155.726,152.18) 156.256,152.71 162.616,152.71 163.436,151.89 170.996,151.89 172.293,153.187 178.016,153.187 179.023,152.18 v1(179.076,152.18) 179.256,152.18 180.936,153.86 185.731,153.86 186.414,153.177 192.079,153.177 v1(193.076,152.18)
  IN2_L4 w0.254: 113.786,153.33 113.956,153.33 114.176,153.55 114.176,153.76 113.916,154.02 109.816,154.02 109.615,154.221 109.615,154.489 109.751,154.625 114.321,154.625 115.196,153.75 120.346,153.75 120.875,154.279 123.227,154.279 123.616,153.89 125.666,153.89 126.055,154.279 146.156,154.279 146.495,153.94 147.778,153.94 148.117,154.279 151.125,154.279 151.129,154.283 152.167,154.283 152.613,153.83 152.929,153.83 153.375,154.283 153.691,154.283 154.137,153.83 154.453,153.83 154.899,154.283 155.215,154.283 155.661,153.83 155.977,153.83 156.423,154.283 157.224,154.283 157.587,153.92 157.986,153.92 158.349,154.283 158.748,154.283 159.111,153.92 159.51,153.92 159.873,154.283 160.272,154.283 160.775,153.78 162.366,153.78 162.869,154.283 165.536,154.283 v1(165.616,154.203)
  BOTTOM w0.254: 163.601,129.784 163.601,131.045 v1(164.256,131.7)
A<15>: NRT3.3 U0.J7 U1.J7 U2.J7 U3.J7 U4.J7 U5.J7 U6.J7 U7.J7 | length 234.5
  TOP w0.1: U0.J7@113.545,147.243 114.681,147.243 v1(114.764,147.326) ; U1.J7@127.545,147.243 128.539,147.243 128.546,147.236 v1(128.666,147.236) ; U2.J7@141.545,147.243 142.539,147.243 142.546,147.236 v1(142.666,147.236) ; U3.J7@155.545,147.243 156.539,147.243 156.546,147.236 v1(156.666,147.236) ; U4.J7@178.895,147.243 179.889,147.243 179.896,147.236 v1(180.016,147.236) ; U5.J7@192.895,147.243 193.889,147.243 193.896,147.236 v1(194.016,147.236) ; U6.J7@206.895,147.243 207.889,147.243 207.896,147.236 v1(208.016,147.236) ; U7.J7@220.895,147.243 221.889,147.243 221.896,147.236 v1(222.016,147.236) ; v1(228.63,148.726) NRT3.3@229.493,148.726
  IN2_L4 w0.1: v1@128.666,147.217 128.684,147.199 v1@128.747,147.199
  IN2_L4 w0.17: 110.221,142.156 110.089,142.288 110.089,144.69 110.093,144.694 110.093,145.777 111.116,146.8 111.556,146.8 111.916,147.16 114.598,147.16 v1(114.764,147.326) 114.858,147.42 115.386,147.42 115.856,147.89 117.216,147.89 117.495,147.611 119.807,147.611 120.141,147.945 121.671,147.945 122.066,148.34 122.922,148.34 123.695,147.567 124.757,147.567 124.87,147.68 126.476,147.68 126.943,147.213 127.549,147.213 127.856,147.52 128.363,147.52 128.666,147.217 v1(128.666,147.236) ; v1@128.747,147.199 129.152,147.604 129.16,147.604 129.176,147.62 130.086,147.62 130.206,147.74 131.442,147.74 131.552,147.63 132.34,147.63 132.67,147.96 133.437,147.96 133.844,147.553 133.853,147.553 133.866,147.54 135.546,147.54 135.986,147.98 138.596,147.98 138.886,147.69 140.467,147.69 140.944,147.213 141.327,147.213 141.604,147.49 142.412,147.49 v1(142.666,147.236) 143.158,147.728 144.194,147.728 144.47,148.004 145.178,148.004 145.552,147.63 146.34,147.63 146.67,147.96 147.437,147.96 147.844,147.553 149.329,147.553 149.836,148.06 151.276,148.06 151.656,147.68 154.477,147.68 154.944,147.213 156.643,147.213 v1(156.666,147.236) 157.05,147.62 158.086,147.62 158.47,148.004 159.178,148.004 159.552,147.63 160.34,147.63 160.67,147.96 161.437,147.96 161.844,147.553 161.853,147.553 161.866,147.54 162.636,147.54 162.996,147.9 166.606,147.9 166.896,148.19 167.806,148.19 168.086,147.91 175.396,147.91 175.626,147.68 176.916,147.68 177.386,147.21 179.99,147.21 v1(180.016,147.236) 180.4,147.62 181.226,147.62 181.61,148.004 182.528,148.004 182.902,147.63 183.69,147.63 184.02,147.96 184.787,147.96 185.207,147.54 190.066,147.54 190.216,147.69 191.817,147.69 192.294,147.213 192.677,147.213 193.09,147.626 193.626,147.626 v1(194.016,147.236) 194.473,147.693 194.605,147.693 194.64,147.728 196.804,147.728 196.902,147.63 197.69,147.63 198.02,147.96 198.787,147.96 199.194,147.553 199.203,147.553 199.216,147.54 201.136,147.54 201.526,147.93 202.706,147.93 202.956,147.68 205.827,147.68 206.294,147.213 206.677,147.213 207.09,147.626 207.626,147.626 v1(208.016,147.236) 208.182,147.236 208.674,147.728 209.544,147.728 209.706,147.89 210.642,147.89 210.902,147.63 211.69,147.63 212.02,147.96 212.787,147.96 213.194,147.553 213.203,147.553 213.216,147.54 213.936,147.54 214.256,147.86 217.966,147.86 218.146,147.68 219.827,147.68 220.294,147.213 220.677,147.213 220.994,147.53 221.722,147.53 v1(222.016,147.236) 222.273,147.236 222.654,147.617 222.713,147.617 223.08,147.984 227.254,147.984 227.996,148.726 v1(228.63,148.726)
  IN2_L4 w0.254: 110.221,142.156 110.496,141.881 110.496,140.01 114.676,135.83 143.106,135.83 143.586,135.35 144.226,135.35 144.706,135.83 145.446,135.83 146.466,134.81 147.276,134.81 148.296,135.83 160.016,135.83 161.666,134.18 163.256,134.18 163.736,133.7 163.736,133.22 163.422,132.906 v1(163.206,132.906)
  BOTTOM w0.254: 162.601,129.784 162.601,130.999 163.226,131.624 163.226,132.11 162.846,132.49 162.406,132.49 161.246,133.65 156.626,133.65 155.625,132.649 150.587,132.649 150.35,132.886 150.35,133.244 150.566,133.46 155.376,133.46 156.236,134.32 161.792,134.32 v1(163.206,132.906)
BA0: NRT4.2 U0.J2 U1.J2 U2.J2 U3.J2 U4.J2 U5.J2 U6.J2 U7.J2 | length 232.8
  TOP w0.1: v1(117.176,146.84) 117.176,146.873 U0.J2@117.546,147.243 ; v1(131.166,146.857) 131.546,147.237 U1.J2@131.546,147.243 ; v1(145.166,146.857) 145.546,147.237 U2.J2@145.546,147.243 ; v1(159.166,146.857) 159.546,147.237 U3.J2@159.546,147.243 ; v1(182.516,146.857) 182.896,147.237 U4.J2@182.896,147.243 ; v1(196.516,146.857) 196.896,147.237 U5.J2@196.896,147.243 ; v1(210.516,146.857) 210.896,147.237 U6.J2@210.896,147.243 ; v1(224.516,146.857) 224.896,147.237 U7.J2@224.896,147.243 ; v1(227.672,146.684) NRT4.2@229.493,146.684
  TOP w0.254: v1(182.086,131.762) 182.386,131.462 182.386,129.999 182.601,129.784
  IN1_L3 w0.1: v1@182.496,146.89 182.496,146.877 v1(182.516,146.857)
  IN1_L3 w0.17: 108.871,144.924 110.127,146.18 112.576,146.18 112.885,146.489 115.107,146.489 115.147,146.527 115.515,146.895 115.525,146.895 115.526,146.896 117.12,146.896 v1(117.176,146.84) 117.176,146.943 117.504,147.271 118.108,147.271 118.646,146.733 119.363,146.733 119.656,146.44 121.766,146.44 122.132,146.806 125.421,146.806 125.795,147.18 126.025,147.18 126.026,147.181 126.408,147.181 126.409,147.18 127.746,147.18 128.406,146.52 129.183,146.52 129.213,146.55 129.499,146.55 129.821,146.872 131.144,146.872 131.159,146.857 v1(131.166,146.857) 131.166,146.929 131.508,147.271 132.108,147.271 132.363,147.016 132.363,147.013 132.696,146.68 133.776,146.68 133.866,146.77 135.326,146.77 135.976,147.42 137.156,147.42 137.806,146.77 141.106,146.77 141.366,147.03 142.086,147.03 142.317,146.799 143.248,146.799 143.304,146.743 143.668,146.743 143.857,146.932 145.091,146.932 v1(145.166,146.857) 145.58,147.271 146.108,147.271 146.336,147.043 146.336,147.04 146.666,146.71 146.847,146.71 146.871,146.686 149.582,146.686 150.036,147.14 151.196,147.14 151.65,146.686 152.293,146.686 152.396,146.789 155.075,146.789 155.536,147.25 156.033,147.25 156.484,146.799 157.248,146.799 157.304,146.743 157.668,146.743 157.857,146.932 159.091,146.932 v1(159.166,146.857) 159.58,147.271 160.108,147.271 160.363,147.016 160.363,147.013 160.696,146.68 162.156,146.68 162.926,147.45 170.806,147.45 171.826,146.43 175.106,146.43 175.465,146.789 178.575,146.789 178.716,146.93 179.506,146.93 179.706,146.73 181.029,146.73 181.139,146.84 182.499,146.84 v1(182.516,146.857) 182.516,146.929 182.858,147.271 183.458,147.271 183.713,147.016 183.713,147.013 184.046,146.68 187.096,146.68 187.676,147.26 188.475,147.26 188.945,146.79 190.916,146.79 191.307,147.181 191.758,147.181 191.759,147.18 193.286,147.18 193.723,146.743 195.018,146.743 195.207,146.932 196.441,146.932 v1(196.516,146.857) 196.93,147.271 197.458,147.271 197.713,147.016 197.713,147.013 198.046,146.68 201.136,146.68 201.736,147.28 202.826,147.28 203.317,146.789 206.435,146.789 206.826,147.18 207.453,147.18 207.834,146.799 208.598,146.799 208.654,146.743 209.018,146.743 209.207,146.932 210.441,146.932 v1(210.516,146.857) 210.93,147.271 211.458,147.271 211.713,147.016 211.713,147.013 212.046,146.68 212.995,146.68 213.285,146.97 215.426,146.97 215.776,147.32 216.546,147.32 217.077,146.789 219.164,146.789 219.556,147.181 219.758,147.181 219.759,147.18 221.453,147.18 221.834,146.799 222.598,146.799 222.654,146.743 223.018,146.743 223.207,146.932 224.441,146.932 v1(224.516,146.857) 225.029,147.37 225.476,147.37 226.166,146.68 227.668,146.68 v1(227.672,146.684)
  IN1_L3 w0.254: v1(108.836,136.61) 108.626,136.4 107.546,136.4 107.111,136.835 107.111,143.165 108.051,144.105 108.871,144.924
  BOTTOM w0.254: v1(108.836,136.61) 108.836,136.52 109.396,135.96 110.696,135.96 111.256,136.52 152.256,136.52 153.396,137.66 167.166,137.66 168.206,136.62 182.176,136.62 182.376,136.42 182.376,136.1 182.251,135.975 180.361,135.975 180.046,135.66 180.046,133.49 180.326,133.21 180.956,133.21 181.301,132.865 182.231,132.865 182.506,132.59 182.506,132.182 v1(182.086,131.762)

## Text inside footprints (layer, text, board x,y; h text height)
R22: PIN_NUMBER "5" at 205.089,133.713 h0.5; PIN_NUMBER "6" at 204.53,133.713 h0.5; PIN_NUMBER "8" at 203.463,133.713 h0.5; PIN_NUMBER "4" at 205.089,132.747 h0.5; PIN_NUMBER "3" at 204.53,132.747 h0.5; PIN_NUMBER "1" at 203.463,132.747 h0.5; PIN_NUMBER "2" at 204.022,132.747 h0.5; PIN_NUMBER "7" at 204.022,133.713 h0.5
R23: PIN_NUMBER "5" at 214.189,133.713 h0.5; PIN_NUMBER "6" at 213.63,133.713 h0.5; PIN_NUMBER "8" at 212.563,133.713 h0.5; PIN_NUMBER "4" at 214.189,132.747 h0.5; PIN_NUMBER "3" at 213.63,132.747 h0.5; PIN_NUMBER "1" at 212.563,132.747 h0.5; PIN_NUMBER "2" at 213.122,132.747 h0.5; PIN_NUMBER "7" at 213.122,133.713 h0.5
R24: PIN_NUMBER "5" at 223.239,133.713 h0.5; PIN_NUMBER "6" at 222.68,133.713 h0.5; PIN_NUMBER "8" at 221.613,133.713 h0.5; PIN_NUMBER "4" at 223.239,132.747 h0.5; PIN_NUMBER "3" at 222.68,132.747 h0.5; PIN_NUMBER "1" at 221.613,132.747 h0.5; PIN_NUMBER "2" at 222.172,132.747 h0.5; PIN_NUMBER "7" at 222.172,133.713 h0.5
R_CLK1: PIN_NUMBER "2" at 174.491,132.92 h0.5; PIN_NUMBER "1" at 173.577,132.92 h0.5
RT0: PIN_NUMBER "2" at 230.083,144.609 h0.5; PIN_NUMBER "1" at 229.169,144.609 h0.5
RT1: PIN_NUMBER "2" at 230.083,143.509 h0.5; PIN_NUMBER "1" at 229.169,143.509 h0.5
RT2: PIN_NUMBER "2" at 230.083,142.399 h0.5; PIN_NUMBER "1" at 229.169,142.399 h0.5
RT3: PIN_NUMBER "2" at 230.083,139.059 h0.5; PIN_NUMBER "1" at 229.169,139.059 h0.5
RT4: PIN_NUMBER "2" at 230.083,137.949 h0.5; PIN_NUMBER "1" at 229.169,137.949 h0.5
RT5: PIN_NUMBER "2" at 230.083,140.159 h0.5; PIN_NUMBER "1" at 229.169,140.159 h0.5
RT6: PIN_NUMBER "2" at 230.083,141.259 h0.5; PIN_NUMBER "1" at 229.169,141.259 h0.5
U0: PIN_NUMBER "A7" at 113.037,140.842 h0.64 r180; PIN_NUMBER "A3" at 116.238,140.842 h0.64 r180; PIN_NUMBER "F9" at 111.437,144.843 h0.64 r180; PIN_NUMBER "H1" at 117.838,146.443 h0.64 r180; PIN_NUMBER "F1" at 117.838,144.843 h0.64 r180; PIN_NUMBER "H9" at 111.437,146.443 h0.64 r180; PIN_NUMBER "C3" at 116.238,142.442 h0.64 r180; PIN_NUMBER "D3" at 116.238,143.242 h0.64 r180; PIN_NUMBER "B7" at 113.037,141.642 h0.64 r180; PIN_NUMBER "H8" at 112.237,146.443 h0.64 r180; PIN_NUMBER "H3" at 116.238,146.443 h0.64 r180; PIN_NUMBER "E1" at 117.838,144.042 h0.64 r180; PIN_NUMBER "J8" at 112.237,147.243 h0.64 r180; PIN_NUMBER "N2" at 117.038,150.441 h0.64 r180; PIN_NUMBER "F3" at 116.238,144.843 h0.64 r180; PIN_NUMBER "G1" at 117.838,145.643 h0.64 r180; PIN_NUMBER "B3" at 116.238,141.642 h0.64 r180; PIN_NUMBER "C2" at 117.038,142.442 h0.64 r180; PIN_NUMBER "C7" at 113.037,142.442 h0.64 r180; PIN_NUMBER "E8" at 112.237,144.042 h0.64 r180; PIN_NUMBER "E3" at 116.238,144.042 h0.64 r180; PIN_NUMBER "D2" at 117.038,143.242 h0.64 r180; PIN_NUMBER "E7" at 113.037,144.042 h0.64 r180; PIN_NUMBER "C8" at 112.237,142.442 h0.64 r180; PIN_NUMBER "H2" at 117.038,146.443 h0.64 r180; PIN_NUMBER "G9" at 111.437,145.643 h0.64 r180; PIN_NUMBER "G7" at 113.037,145.643 h0.64 r180; PIN_NUMBER "F7" at 113.037,144.843 h0.64 r180; PIN_NUMBER "G3" at 116.238,145.643 h0.64 r180; PIN_NUMBER "J3" at 116.238,147.243 h0.64 r180; PIN_NUMBER "K8" at 112.237,148.043 h0.64 r180; PIN_NUMBER "J2" at 117.038,147.243 h0.64 r180; PIN_NUMBER "M3" at 116.238,149.641 h0.64 r180; PIN_NUMBER "N8" at 112.237,150.441 h0.64 r180; PIN_NUMBER "M2" at 117.038,149.641 h0.64 r180; PIN_NUMBER "M8" at 112.237,149.641 h0.64 r180; PIN_NUMBER "L2" at 117.038,148.84 h0.64 r180; PIN_NUMBER "L8" at 112.237,148.84 h0.64 r180; PIN_NUMBER "K2" at 117.038,148.043 h0.64 r180; PIN_NUMBER "L3" at 116.238,148.84 h0.64 r180; PIN_NUMBER "L7" at 113.037,148.84 h0.64 r180; PIN_NUMBER "J7" at 113.037,147.243 h0.64 r180; PIN_NUMBER "N7" at 113.037,150.441 h0.64 r180; PIN_NUMBER "N3" at 116.238,150.441 h0.64 r180; PIN_NUMBER "K7" at 113.037,148.043 h0.64 r180; PIN_NUMBER "M7" at 113.037,149.641 h0.64 r180; PIN_NUMBER "H7" at 113.037,146.443 h0.64 r180; PIN_NUMBER "K3" at 116.238,148.043 h0.64 r180; PIN_NUMBER "A1" at 117.838,140.842 h0.64 r180; PIN_NUMBER "A8" at 112.237,140.842 h0.64 r180; PIN_NUMBER "D9" at 111.437,143.242 h0.64 r180; PIN_NUMBER "D8" at 112.237,143.242 h0.64 r180; PIN_NUMBER "C9" at 111.437,142.442 h0.64 r180; PIN_NUMBER "B8" at 112.237,141.642 h0.64 r180; PIN_NUMBER "B2" at 117.038,141.642 h0.64 r180; PIN_NUMBER "N1" at 117.838,150.441 h0.64 r180; PIN_NUMBER "L1" at 117.838,148.84 h0.64 r180; PIN_NUMBER "J1" at 117.838,147.243 h0.64 r180; PIN_NUMBER "L9" at 111.437,148.843 h0.64 r180; PIN_NUMBER "B1" at 117.838,141.642 h0.64 r180; PIN_NUMBER "N9" at 111.513,151.358 h0.64 r180; PIN_NUMBER "D1" at 117.838,143.242 h0.64 r180; PIN_NUMBER "F8" at 112.237,144.843 h0.64 r180; PIN_NUMBER "J9" at 111.437,147.243 h0.64 r180; PIN_NUMBER "F2" at 117.038,144.843 h0.64 r180; PIN_NUMBER "G8" at 112.237,145.643 h0.64 r180; PIN_NUMBER "M9" at 111.437,149.641 h0.64 r180; PIN_NUMBER "K9" at 111.437,148.043 h0.64 r180; PIN_NUMBER "M1" at 117.838,149.643 h0.64 r180; PIN_NUMBER "G2" at 117.038,145.643 h0.64 r180; PIN_NUMBER "E2" at 117.038,144.042 h0.64 r180; PIN_NUMBER "K1" at 117.838,148.043 h0.64 r180; PIN_NUMBER "A9" at 111.437,140.842 h0.64 r180; PIN_NUMBER "B9" at 111.437,141.642 h0.64 r180; PIN_NUMBER "D7" at 113.037,143.242 h0.64 r180; PIN_NUMBER "E9" at 111.437,144.042 h0.64 r180; PIN_NUMBER "A2" at 117.038,140.842 h0.64 r180; PIN_NUMBER "C1" at 117.838,142.442 h0.64 r180
U1: PIN_NUMBER "A7" at 127.037,140.842 h0.64 r180; PIN_NUMBER "A3" at 130.238,140.842 h0.64 r180; PIN_NUMBER "F9" at 125.437,144.843 h0.64 r180; PIN_NUMBER "H1" at 131.838,146.443 h0.64 r180; PIN_NUMBER "F1" at 131.838,144.843 h0.64 r180; PIN_NUMBER "H9" at 125.437,146.443 h0.64 r180; PIN_NUMBER "C3" at 130.238,142.442 h0.64 r180; PIN_NUMBER "D3" at 130.238,143.242 h0.64 r180; PIN_NUMBER "B7" at 127.037,141.642 h0.64 r180; PIN_NUMBER "H8" at 126.237,146.443 h0.64 r180; PIN_NUMBER "H3" at 130.238,146.443 h0.64 r180; PIN_NUMBER "E1" at 131.838,144.042 h0.64 r180; PIN_NUMBER "J8" at 126.237,147.243 h0.64 r180; PIN_NUMBER "N2" at 131.038,150.441 h0.64 r180; PIN_NUMBER "F3" at 130.238,144.843 h0.64 r180; PIN_NUMBER "G1" at 131.838,145.643 h0.64 r180; PIN_NUMBER "E7" at 127.037,144.042 h0.64 r180; PIN_NUMBER "C8" at 126.237,142.442 h0.64 r180; PIN_NUMBER "B3" at 130.238,141.642 h0.64 r180; PIN_NUMBER "C2" at 131.038,142.442 h0.64 r180; PIN_NUMBER "C7" at 127.037,142.442 h0.64 r180; PIN_NUMBER "E8" at 126.237,144.042 h0.64 r180; PIN_NUMBER "E3" at 130.238,144.042 h0.64 r180; PIN_NUMBER "D2" at 131.038,143.242 h0.64 r180; PIN_NUMBER "H2" at 131.038,146.443 h0.64 r180; PIN_NUMBER "G9" at 125.437,145.643 h0.64 r180; PIN_NUMBER "G7" at 127.037,145.643 h0.64 r180; PIN_NUMBER "F7" at 127.037,144.843 h0.64 r180; PIN_NUMBER "G3" at 130.238,145.643 h0.64 r180; PIN_NUMBER "J3" at 130.238,147.243 h0.64 r180; PIN_NUMBER "K8" at 126.237,148.043 h0.64 r180; PIN_NUMBER "J2" at 131.038,147.243 h0.64 r180; PIN_NUMBER "M3" at 130.238,149.641 h0.64 r180; PIN_NUMBER "N8" at 126.237,150.441 h0.64 r180; PIN_NUMBER "M2" at 131.038,149.641 h0.64 r180; PIN_NUMBER "M8" at 126.237,149.641 h0.64 r180; PIN_NUMBER "L2" at 131.038,148.84 h0.64 r180; PIN_NUMBER "L8" at 126.237,148.84 h0.64 r180; PIN_NUMBER "K2" at 131.038,148.043 h0.64 r180; PIN_NUMBER "L3" at 130.238,148.84 h0.64 r180; PIN_NUMBER "L7" at 127.037,148.84 h0.64 r180; PIN_NUMBER "J7" at 127.037,147.243 h0.64 r180; PIN_NUMBER "N7" at 127.037,150.441 h0.64 r180; PIN_NUMBER "N3" at 130.238,150.441 h0.64 r180; PIN_NUMBER "K7" at 127.037,148.043 h0.64 r180; PIN_NUMBER "M7" at 127.037,149.641 h0.64 r180; PIN_NUMBER "H7" at 127.037,146.443 h0.64 r180; PIN_NUMBER "K3" at 130.238,148.043 h0.64 r180; PIN_NUMBER "C9" at 125.437,142.442 h0.64 r180; PIN_NUMBER "B2" at 131.038,141.642 h0.64 r180; PIN_NUMBER "N1" at 131.838,150.441 h0.64 r180; PIN_NUMBER "A1" at 131.838,140.842 h0.64 r180; PIN_NUMBER "D1" at 131.838,143.242 h0.64 r180; PIN_NUMBER "A8" at 126.237,140.842 h0.64 r180; PIN_NUMBER "L1" at 131.838,148.84 h0.64 r180; PIN_NUMBER "N9" at 125.513,151.358 h0.64 r180; PIN_NUMBER "B1" at 131.838,141.642 h0.64 r180; PIN_NUMBER "J9" at 125.437,147.243 h0.64 r180; PIN_NUMBER "L9" at 125.437,148.843 h0.64 r180; PIN_NUMBER "J1" at 131.838,147.243 h0.64 r180; PIN_NUMBER "D8" at 126.237,143.242 h0.64 r180; PIN_NUMBER "D9" at 125.437,143.242 h0.64 r180; PIN_NUMBER "B8" at 126.237,141.642 h0.64 r180; PIN_NUMBER "F8" at 126.237,144.843 h0.64 r180; PIN_NUMBER "F2" at 131.038,144.843 h0.64 r180; PIN_NUMBER "G8" at 126.237,145.643 h0.64 r180; PIN_NUMBER "M9" at 125.437,149.641 h0.64 r180; PIN_NUMBER "K9" at 125.437,148.043 h0.64 r180; PIN_NUMBER "K1" at 131.838,148.043 h0.64 r180; PIN_NUMBER "M1" at 131.838,149.643 h0.64 r180; PIN_NUMBER "G2" at 131.038,145.643 h0.64 r180; PIN_NUMBER "E2" at 131.038,144.042 h0.64 r180; PIN_NUMBER "E9" at 125.437,144.042 h0.64 r180; PIN_NUMBER "A9" at 125.437,140.842 h0.64 r180; PIN_NUMBER "B9" at 125.437,141.642 h0.64 r180; PIN_NUMBER "D7" at 127.037,143.242 h0.64 r180; PIN_NUMBER "A2" at 131.038,140.842 h0.64 r180; PIN_NUMBER "C1" at 131.838,142.442 h0.64 r180